# Altium PCB MCISO-P01-V05.PcbDoc (part 2 of 2)
Units mm, origin at the board's own origin, x right, y up, seen from the top; angles counter-clockwise.
Board outline 59.6 x 95.9 mm, 2 copper layers (Top Layer, Bottom Layer), stack 1.57 mm thick; 125 components, 87 nets, 473 pads, 109 vias.
Unrouted connection lines stored in the file: 41.
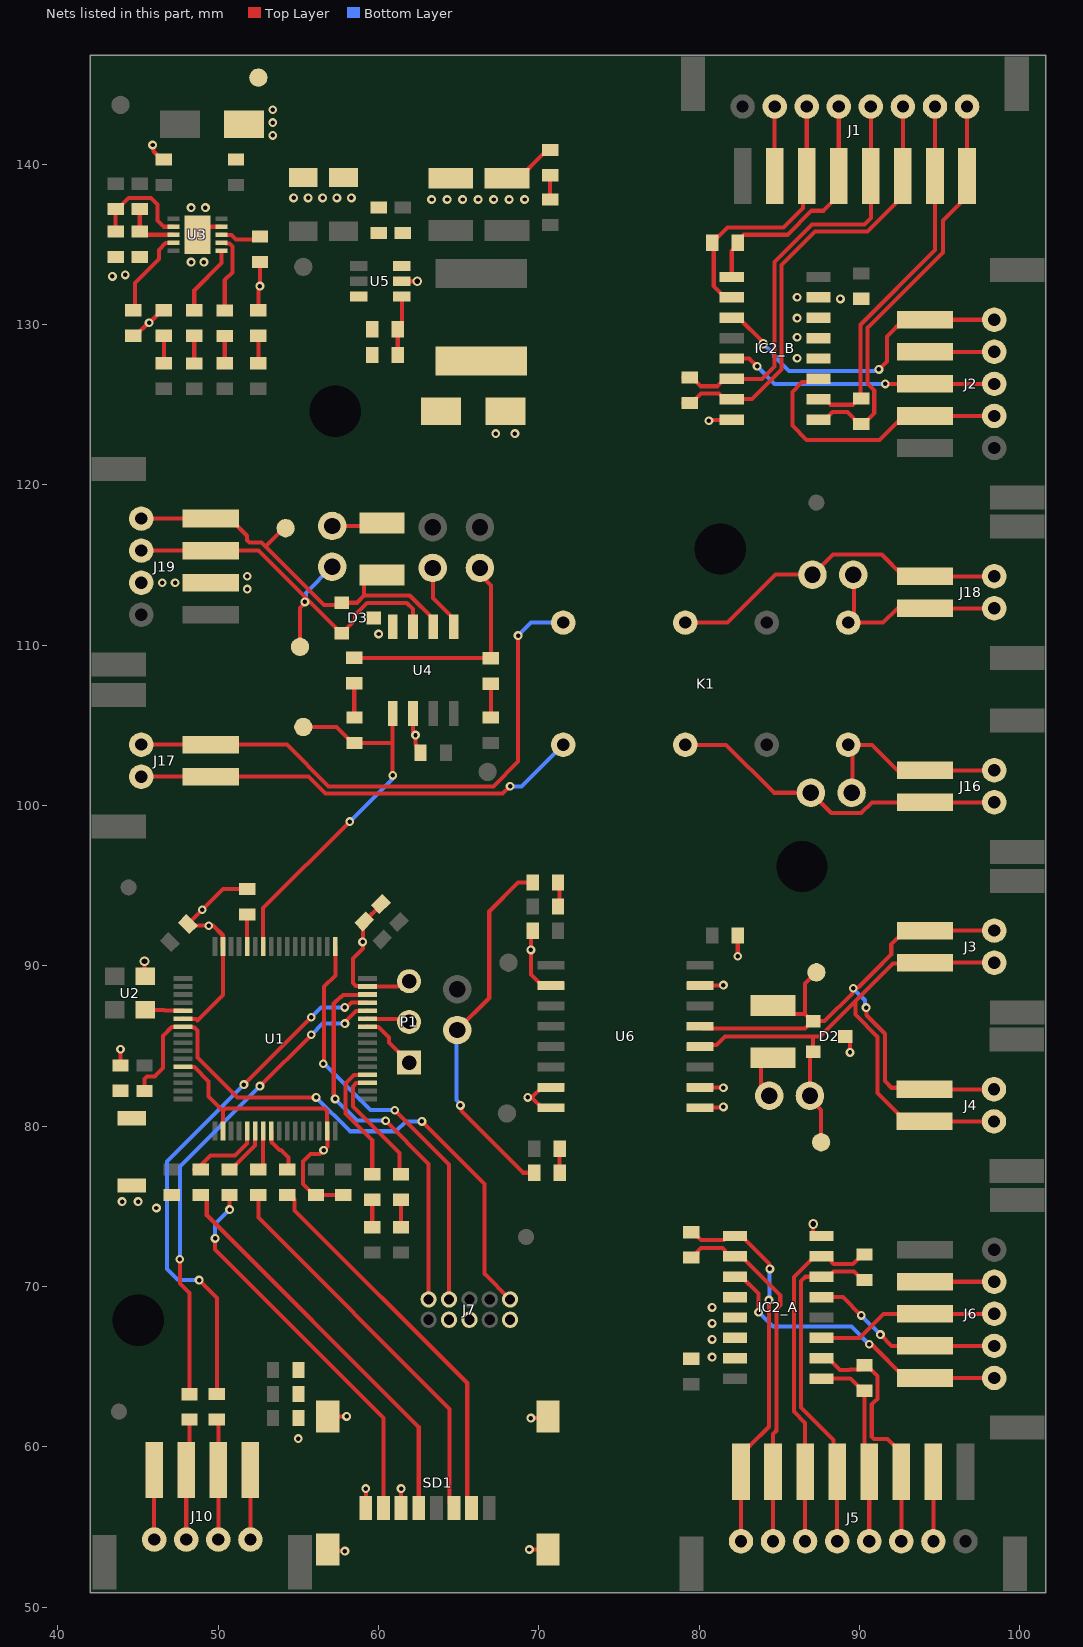
[diagram p2: the nets of this part, all layers, seen from the top]

## Via types
v1: diameter 0.55, hole 0.279, Top Layer to Bottom Layer, 105 vias
v2: diameter 0.6, hole 0.35, Top Layer to Bottom Layer, 4 vias

## Nets (pads, with @x,y where several pads share a name; then routed paths per layer and width w, separated by ;. In a path a pad name is that pad's centre, name@x,y a point inside that pad or via, vN(x,y) a via of type N, cw(c..) or ccw(c..) an arc to the next point about the centre after c; other vN are vias at no path point) (continued)
"CAN2 TX": R24.1 TP9.1 U1.58 U4.1 | length 23.9
  Top Layer w0.254: U1.58@52.8,91.207 52.8,93.6 v1(58.2,99) ; TP9.1@55.3,104.9 57.38,104.9 58.373,103.907 R24.1@58.5,103.907 60.783,103.907 60.877,103.813 ; v1(60.877,101.877) 60.877,103.813 ; U4.1@60.877,105.749 60.877,103.813
  Bottom Layer w0.254: v1(58.2,99) 60.82,101.62 60.82,101.82 v1(60.877,101.877)
"CAN H": D2.1 J3.1 J4.1 R23.1 TP6.1 U6.13 | length 40.2
  Top Layer w0.254: U6.13@80.05,86.235 80.185,86.1 86.6,86.1 D2.1@87.05,86.55 ; R23.1@84.6,87.525 85.123,87.002 86.598,87.002 ; TP6.1@87.3,89.6 86.598,88.898 86.598,87.002 ; v1@89.543,88.543 89.543,88.285 87.808,86.55 D2.1@87.05,86.55 ; v1(89.6,88.6) 89.657,88.657 89.915,88.657 90.943,89.685 91.971,90.713 91.971,91.321 92.85,92.2 J3.1@94.071,92.2 J3.1@97.879,92.2 ; v1(90.4,87.4) 90.421,87.379 90.421,86.921 91.574,85.768 91.574,82.826 92,82.4 93.95,82.4 J4.1@94.05,82.3 J4.1@98.379,82.3 ; 86.598,87.002 D2.1@87.05,86.55
  Bottom Layer w0.254: v1(89.6,88.6) 90.343,87.857 90.343,87.457 v1(90.4,87.4)
"CAN L": D2.2 J3.2 J4.2 J12.1 TP4.1 U6.12 | length 42
  Top Layer w0.254: U6.12@80.05,84.965 80.156,85.071 81.071,85.071 81.6,85.6 87.1,85.6 ; TP4.1@87.6,78.779 87.6,81.014 86.9,81.714 86.9,84.45 D2.2@87.1,84.65 87.1,85.6 ; J4.2@98.379,80.3 92.85,80.3 92.427,80.723 92.427,80.773 91.12,82.08 91.12,85.58 89.738,86.962 89.738,87.81 ; J3.2@98.379,90.2 J3.2@94.071,90.2 94.05,90.2 94.011,90.161 92.089,90.161 89.738,87.81 ; 87.1,85.6 87.528,85.6 89.738,87.81
"CAN LED": DS7.1 DS8.1 J11.2 | length 23
  Top Layer w0.254: J11.2@64.9,86 66.9,88 66.9,93.4 68.7,95.2 DS8.1@69.607,95.2 ; v1(65.1,81.3) 65.157,81.243 65.157,80.943 69,77.1 DS7.1@69.707,77.1
  Bottom Layer w0.254: J11.2@64.9,86 64.844,85.944 64.844,81.636 65.1,81.38 v1(65.1,81.3)
"CAN MAIN H": D3.2 J14.1 J19.3 TP8.1 U4.7 | length 27.2
  Top Layer w0.254: J19.3@45.2,115.9 J19.3@49.529,115.9 52.5,115.9 57.65,110.75 D3.2@57.7,110.75 57.75,110.75 58.023,111.023 58.023,111.073 58.531,111.581 58.531,111.889 59.288,112.646 61.753,112.646 62.147,112.252 U4.7@62.147,111.149 ; TP8.1@55.1,109.9 55.1,112.32 55.4,112.62 v1(55.4,112.7)
  Bottom Layer w0.254: v1(55.4,112.7) 55.457,112.757 55.457,113.257 J14.1@57.1,114.9
"CAN MAIN L": D3.1 J19.4 R26.1 TP10.1 U4.6 | length 25.7
  Top Layer w0.254: J19.4@45.2,117.9 J19.4@49.529,117.9 50.729,117.9 51.8,116.829 51.8,116.549 51.949,116.4 52.7,116.4 52.95,116.15 ; TP10.1@54.2,117.3 54.1,117.3 52.95,116.15 ; R26.1@60.2,114.375 59.623,114.375 59.1,113.852 59.1,113.1 ; U4.6@63.417,111.149 63.417,111.624 61.941,113.1 59.1,113.1 ; 52.95,116.15 56.6,112.5 57.55,112.5 D3.1@57.7,112.65 58.65,112.65 59.1,113.1
"CAN MAIN LBK": J15.2 U4.5 | length 4.2
  Top Layer w0.254: J15.2@63.38,114.819 63.38,112.931 64.687,111.624 U4.5@64.687,111.149
"CAN MAIN LED": DS9.1 DS10.1 J13.2 | length 14.4
  Top Layer w0.254: DS9.1@58.48,109.212 66.974,109.212 DS10.1@67,109.187 67,113.726 66.319,114.407 J13.2@66.319,114.819
"CAN MAIN RX LED": DS10.2 R25.2 | length 2.1
  Top Layer w0.254: R25.2@67,105.493 DS10.2@67,107.6
"CAN MAIN TX LED": DS9.2 R24.2 | length 2.1
  Top Layer w0.254: DS9.2@58.48,107.626 58.48,105.514 R24.2@58.5,105.493
"CAN RX LED": DS8.2 R22.2 | length 1.5
  Top Layer w0.254: R22.2@71.293,93.7 DS8.2@71.293,95.2
"CAN TX LED": DS7.2 R21.2 | length 1.5
  Top Layer w0.254: DS7.2@71.293,77.1 R21.2@71.293,78.6
CLMODE: R15.2 U3.4 | length 5.6
  Top Layer w0.254: R15.2@44.8,130.8 44.8,132.593 46.3,134.093 46.3,134.656 46.721,135.077 47.177,135.077 U3.4@47.2,135.1
"COM A": J8.1 J16.2 K1.13 | length 21.1
  Top Layer w0.254: K1.13@79.13,103.79 81.666,103.79 84.656,100.8 J8.1@86.96,100.8 88.23,99.53 90.1,99.53 90.77,100.2 J16.2@93.85,100.2 ; J16.2@94.071,100.2 J16.2@98.4,100.2
"COM B": J9.2 J18.1 K1.4 | length 21.5
  Top Layer w0.254: K1.4@79.13,111.41 81.766,111.41 84.756,114.4 J9.2@87.06,114.4 88.33,115.67 91.38,115.67 92.75,114.3 J18.1@94.071,114.3 J18.1@98.279,114.3
FLAG: DS4.2 U3.6 | length 4.4
  Top Layer w0.254: DS4.2@48.5,130.887 48.5,132.133 50.2,133.833 U3.6@50.2,134.6
GND: C1.1 C2.1 C3.1 C4.1 C5.1 C6.1 C7.1 C8.1 C9.1 C10.1 C11.1 C12.1 C14.1 C15.1 C18.2 C19.1 C21.2 C22.1 D1.A D3.3 D4.A DS5.2 DS6.2 DS11.2 J7.3 J7.5 J7.9 J10.4 J19.2 P1.3 R1.1 R15.1 R16.1 R17.1 R18.1 R29.1 SD1.6 SD1.8 SD1.9 SD1.10 SD1.11 SD1.12 SW1.1 TP3.1 U1.6 U1.12 U1.18 U1.31 U1.47 U1.63 U2.2 U3.9 U3.11 U4.2 U4.8 U5.2 U6.2 U6.7 U6.8 | length 81.8
  Top Layer w0.254: C7.1@43.9,83.793 v1(43.9,84.8) ; R15.1@44.687,129.293 R15.1@44.7,129.307 ; R15.1@44.8,129.213 44.8,129.28 45.634,130.114 45.7,130.114 46.473,130.887 DS5.2@46.6,130.887 ; v2(45.4,90.3) 45.4,89.407 U2.2@45.45,89.357 ; v1(45.9,141.2) 45.957,141.143 45.957,140.81 46.473,140.293 C12.1@46.6,140.293 ; J10.4@46,54.221 J10.4@46,58.55 J10.4@46,59.75 ; U1.12@47.8,83.707 47.823,83.684 48.504,83.684 49.402,82.786 49.402,81.849 50.3,80.951 ; U1.6@47.8,86.707 47.823,86.684 48.616,86.684 48.705,86.595 50.3,88.19 U1.63@50.3,91.207 50.277,91.23 50.277,91.911 49.677,92.51 48.19,92.51 C5.1@48.1,92.6 50.293,94.793 R1.1@51.8,94.793 ; U3.11@48.7,135.6 49.2,136.1 U3.9@50.2,136.1 ; U1.18@50.3,79.707 50.3,80.951 ; DS6.2@52.5,130.887 52.5,132.22 52.6,132.32 R18.1@52.6,133.907 ; SD1.9@56.82,53.6 56.92,53.5 v1(57.9,53.5) ; SD1.10@56.82,61.9 v1(58,61.9) ; C1.1@57.8,75.713 C3.1@56.1,75.713 55.973,75.713 55.287,76.399 55.287,77.807 55.746,78.266 56.341,78.266 56.8,78.726 U1.31@56.8,79.707 56.777,79.73 56.777,80.951 56.628,81.1 50.449,81.1 50.3,80.951 ; SD1.8@59.2,56.2 v1(59.2,57.4) ; C2.1@60.139,93.861 60.139,93.812 C4.1@59.103,92.776 59.013,92.686 59.013,91.084 58.395,90.466 58.395,88.93 58.574,88.752 58.805,88.752 58.85,88.707 U1.47@59.3,88.707 61.223,88.707 61.563,89.047 P1.3@61.9,89.047 ; SD1.6@61.4,56.2 v1(61.4,57.4) ; U5.2@61.45,132.7 v2(62.4,132.7) ; U4.2@62.147,105.749 62.147,104.633 62.3,104.48 v1(62.3,104.4) 62.3,103.83 62.353,103.777 62.353,103.554 C15.1@62.607,103.3 ; J7.3@64.244,67.784 J7.3@64.39,67.93 ; C19.1@68,139.125 68.75,139.125 70.264,140.639 70.446,140.639 DS11.2@70.7,140.893 ; v1(69.4,53.6) SD1.12@70.57,53.6 ; v1(69.5,61.8) 70.47,61.8 SD1.11@70.57,61.9 ; C14.1@69.607,92.2 69.5,92.093 69.5,89.45 70.175,88.775 U6.2@70.75,88.775 ; U6.8@70.75,81.155 70.175,81.155 69.587,81.743 69.357,81.743 v1(69.3,81.8) 69.357,81.857 69.607,81.857 70.175,82.425 U6.7@70.75,82.425
  other v1: 54.985,60.515 46.144,74.9 44,75.3 45,75.3 56.57,78.496 69.5,91 59,91.5 49.4,92.5 49,93.5 60,110.7 51.8,113.5 46.5,113.9 47.3,113.9 51.8,114.3 67.3,123.2 68.5,123.2 45.686,130.114 52.6,132.4 43.4,133 44.2,133.1 48.3,133.9 49.1,133.9 48.3,137.3 49.2,137.3 63.3,137.8 64.267,137.8 65.233,137.8 66.2,137.8 67.167,137.8 68.133,137.8 69.1,137.8 54.7,137.9 55.6,137.9 56.5,137.9 57.4,137.9 58.3,137.9 53.4,141.8 53.4,142.6 53.4,143.4
"GND INV_A": C13.1 C20_A.1 D2.3 IC2_A.8 IC2_A.12 IC2_A.13 IC2_A.14 IC2_A.15 J5.2 J6.2 U6.9 U6.10 U6.15 | length 16.3
  Top Layer w0.254: U6.9@80.05,81.155 80.072,81.178 81.478,81.178 v1(81.5,81.2) ; U6.10@80.05,82.425 80.062,82.412 81.488,82.412 v1(81.5,82.4) ; U6.15@80.05,88.775 80.062,88.788 81.488,88.788 v1(81.5,88.8) ; C13.1@82.393,91.9 82.4,91.893 v1(82.4,90.6) ; v2(87.1,73.9) 87.1,73.166 IC2_A.8@87.113,73.152 ; D2.3@89.1,85.6 89.127,85.6 89.4,85.327 v1(89.4,84.6) ; J6.2@94.031,70.3 J6.2@98.36,70.3 ; J5.2@94.6,54.11 J5.2@94.6,58.45
  other v1: 80.8,65.6 80.8,66.7 80.8,67.7 80.8,68.7
"GND INV_B": C20_B.1 IC2_B.8 IC2_B.12 IC2_B.13 IC2_B.14 IC2_B.15 J1.2 J2.2 | length 10.2
  Top Layer w0.254: v1(80.6,124) 80.638,124.038 81.988,124.038 IC2_B.8@82.025,124.076 ; J1.2@84.7,139.26 J1.2@84.7,143.6 ; IC2_B.13@87.425,129.156 IC2_B.13@87.535,129.156 ; J2.2@93.931,128.3 J2.2@98.26,128.3
  other v1: 86.1,127.9 86.1,129.212 86.1,130.4 88.8,131.6 86.1,131.7
H1_A: IC2_A.3 J6.3 | length 11.4
  Top Layer w0.254: IC2_A.3@87.613,66.802 90.002,66.802 91.5,68.3 94.031,68.3 J6.3@98.36,68.3
H1_B: IC2_B.3 J2.1 | length 20
  Top Layer w0.254: IC2_B.3@82.025,130.426 82.45,130.426 84,128.876 v2(84,128.8) ; v1(91.2,127.2) 91.7,127.7 91.7,129.269 92.731,130.3 93.931,130.3 J2.1@98.26,130.3
  Bottom Layer w0.254: v2(84,128.8) 84.676,128.124 84.676,128.024 85.6,127.1 90.903,127.1 90.947,127.143 91.143,127.143 v1(91.2,127.2)
H2_A: IC2_A.5 J6.4 | length 12
  Top Layer w0.254: IC2_A.5@87.613,69.342 88.958,69.342 v1(90.1,68.2) ; v1(91.3,67) 92,66.3 J6.4@98.36,66.3
  Bottom Layer w0.254: v1(90.1,68.2) v1(91.3,67)
H2_B: IC2_B.5 J2.3 | length 16.9
  Top Layer w0.254: IC2_B.5@82.025,127.886 83.114,127.886 v1(83.6,127.4) ; v1(91.6,126.3) 93.931,126.3 J2.3@98.26,126.3
  Bottom Layer w0.254: v1(83.6,127.4) 84.7,126.3 v1(91.6,126.3)
H3_A: IC2_A.11 J6.5 | length 19.4
  Top Layer w0.254: IC2_A.11@82.213,70.612 82.638,70.612 83.688,69.563 83.688,68.412 v1(83.7,68.4) ; v1(90.6,66.4) 90.657,66.343 90.788,66.343 92.831,64.3 94.031,64.3 J6.5@98.36,64.3
  Bottom Layer w0.254: v1(83.7,68.4) 84.6,67.5 89.5,67.5 v1(90.6,66.4)
H3_B: IC2_B.11 J2.4 | length 17.5
  Top Layer w0.254: IC2_B.11@87.425,126.616 87.227,126.418 86.418,126.418 85.8,125.8 85.8,123.7 86.7,122.8 91.231,122.8 92.731,124.3 93.931,124.3 J2.4@98.26,124.3
"HALL 1A_A": IC2_A.2 J5.3 R30_A.1 | length 15.9
  Top Layer w0.254: IC2_A.2@87.613,65.532 88.038,65.532 88.771,64.8 89.372,64.8 89.411,64.839 90.046,64.839 R30_A.1@90.3,65.093 90.427,65.093 91.113,64.408 91.113,62.999 90.934,62.821 90.921,62.821 90.754,62.654 90.754,60.654 90.903,60.505 91.745,60.505 92.6,59.65 J5.3@92.6,58.45 J5.3@92.6,54.11
"HALL 1A_B": IC2_B.2 J1.3 R30_B.1 | length 17.1
  Top Layer w0.254: IC2_B.2@82.025,131.696 81.6,131.696 80.9,132.396 80.9,135.007 R30_B.1@80.807,135.1 81.761,136.054 85.254,136.054 86.478,137.278 86.478,139.038 J1.3@86.7,139.26 J1.3@86.7,143.6
"HALL 1B_A": IC2_A.1 J5.4 R30_A.2 | length 12.5
  Top Layer w0.254: IC2_A.1@87.613,64.262 89.417,64.262 90.173,63.507 R30_A.2@90.3,63.507 90.3,58.75 J5.4@90.6,58.45 J5.4@90.6,54.11
"HALL 1B_B": IC2_B.1 J1.4 R30_B.2 | length 15.4
  Top Layer w0.254: IC2_B.1@82.025,132.966 82.025,134.605 82.393,134.973 82.393,135.227 82.766,135.6 85.5,135.6 87,137.1 87.74,137.1 88.7,138.06 J1.4@88.7,139.26 J1.4@88.7,143.6
"HALL 2A_A": IC2_A.6 J5.5 R31_A.1 | length 21.6
  Top Layer w0.254: J5.5@88.6,54.11 J5.5@88.6,58.45 88.368,58.682 88.368,60.432 86.354,62.446 86.354,70.354 86.612,70.612 88.038,70.612 88.372,70.946 89.64,70.946 90.173,70.413 R31_A.1@90.3,70.413
"HALL 2A_B": IC2_B.6 J1.5 R31_B.1 | length 26.7
  Top Layer w0.254: R31_B.1@79,126.7 R31_B.1@79.127,126.7 ; R31_B.1@79.527,126.7 80.073,126.154 81.139,126.154 81.6,126.616 83.916,126.616 84.681,127.381 84.681,133.913 87.022,136.254 90.312,136.254 90.7,136.642 J1.5@90.7,139.26 J1.5@90.7,143.6
"HALL 2B_A": IC2_A.7 J5.6 R31_A.2 | length 21.3
  Top Layer w0.254: J5.6@86.6,54.11 J5.6@86.6,58.45 86.6,61.5 85.9,62.2 85.9,70.594 IC2_A.7@87.188,71.882 ; IC2_A.7@88.038,71.882 88.236,71.684 88.236,71.549 88.385,71.4 89.573,71.4 R31_A.2@90.173,72
"HALL 2B_B": IC2_B.7 J1.6 R31_B.2 | length 28.4
  Top Layer w0.254: R31_B.2@79,125.113 R31_B.2@79.127,125.113 ; R31_B.2@79.527,125.113 80.114,125.7 81.221,125.7 81.377,125.544 81.827,125.544 IC2_B.7@82.025,125.346 83.288,125.346 85.135,127.193 85.135,133.725 87.21,135.8 90.5,135.8 92.277,137.577 92.277,138.837 J1.6@92.7,139.26 J1.6@92.7,143.6
"HALL 3A_A": IC2_A.10 J5.7 R32_A.1 | length 22.3
  Top Layer w0.254: R32_A.1@79.5,71.807 79.627,71.807 79.881,72.061 79.881,72.188 80.093,72.4 81.442,72.4 81.59,72.251 81.59,72.08 81.788,71.882 IC2_A.10@82.213,71.882 ; IC2_A.10@82.638,71.882 82.836,71.684 82.836,71.664 85.05,69.45 85.05,68.85 84.81,68.61 84.81,61.068 84.8,61.058 84.8,61 84.6,60.8 J5.7@84.6,58.45 J5.7@84.6,54.11
"HALL 3A_B": IC2_B.10 J1.7 R32_B.1 | length 23.1
  Top Layer w0.254: IC2_B.10@87.425,125.346 87.85,125.346 88.196,125 89.58,125 89.973,125.393 R32_B.1@90.1,125.393 90.046,125.447 90.046,129.988 94.7,134.642 J1.7@94.7,139.26 J1.7@94.7,143.6
"HALL 3B_A": IC2_A.9 J5.8 R32_A.2 | length 23.5
  Top Layer w0.254: R32_A.2@79.627,73.393 80.12,72.9 81.536,72.9 81.788,73.152 IC2_A.9@82.213,73.152 ; J5.8@82.6,54.11 82.6,59.65 83.023,60.073 83.173,60.073 84.356,61.256 84.356,69.146 v1(84.344,69.158) ; IC2_A.9@82.638,73.152 84.343,71.447 84.343,71.157 v1(84.4,71.1)
  Bottom Layer w0.254: v1(84.344,69.158) 84.372,69.186 84.372,71.072 v1(84.4,71.1)
"HALL 3B_B": IC2_B.9 J1.8 R32_B.2 | length 26.1
  Top Layer w0.254: IC2_B.9@87.425,124.076 87.85,124.076 88.321,124.546 89.234,124.546 89.973,123.807 90.227,123.807 90.913,124.492 90.913,125.901 90.5,126.313 90.5,129.8 95.2,134.5 95.2,136.5 96.277,137.577 96.277,138.837 J1.8@96.7,139.26 J1.8@96.7,143.6
NetDS1_1: DS1.1 R3.1 | length 1.7
  Top Layer w0.254: R3.1@61.4,73.705 DS1.1@61.4,75.413
NetDS2_1: DS2.1 R4.1 | length 1.7
  Top Layer w0.254: R4.1@59.6,73.705 DS2.1@59.6,75.413
NetDS3_1: DS3.1 R9.1 | length 1.7
  Top Layer w0.254: R9.1@50.4,127.587 DS3.1@50.4,129.293
NetDS4_1: DS4.1 R10.1 | length 1.7
  Top Layer w0.254: R10.1@48.5,127.58 DS4.1@48.5,129.3
NetDS5_1: DS5.1 R11.1 | length 1.7
  Top Layer w0.254: R11.1@46.6,127.587 DS5.1@46.6,129.3
NetDS6_1: DS6.1 R14.1 | length 1.7
  Top Layer w0.254: R14.1@52.5,127.587 DS6.1@52.5,129.3
NetDS11_1: DS11.1 R28.1 | length 1.5
  Top Layer w0.254: R28.1@70.7,137.793 DS11.1@70.7,139.307
NetJ10_2: J10.2 R19.1 | length 7.5
  Top Layer w0.254: J10.2@50,54.221 J10.2@50,58.55 50,61.607 R19.1@50.1,61.707
NetJ10_3: J10.3 R20.1 | length 7.8
  Top Layer w0.254: J10.3@48,54.221 J10.3@48,58.55 48.2,58.75 R20.1@48.2,61.922
NetJ12_2: J12.2 R23.2 | length 2.5
  Top Layer w0.254: J12.2@83.86,81.9 83.86,84.035 R23.2@84.1,84.275
NetJ14_2: J14.2 R26.2 | length 3.2
  Top Layer w0.254: J14.2@57.1,117.44 60.015,117.44 R26.2@60.2,117.625
NetJ17_1: J17.1 K1.16 | length 39.9
  Top Layer w0.254: J17.1@45.3,101.8 55.634,101.8 ; v1(68.2,101.2) 68.18,101.2 67.726,100.746 56.688,100.746 55.634,101.8 ; 55.634,101.8 49.629,101.8 55.634,101.8
  Bottom Layer w0.254: v1(68.2,101.2) 68.92,101.2 K1.16@71.51,103.79
NetJ17_2: J17.2 K1.1 | length 36.1
  Top Layer w0.254: J17.2@45.3,103.8 49.629,103.8 54.276,103.8 56.876,101.2 67.163,101.2 68.7,102.737 v1(68.7,110.6)
  Bottom Layer w0.254: v1(68.7,110.6) 69.51,111.41 K1.1@71.51,111.41
NetR1_2: R1.2 U1.60 | length 2.2
  Top Layer w0.254: U1.60@51.8,91.207 R1.2@51.8,93.42
"NO COM A": J8.2 J16.1 K1.9 | length 12.3
  Top Layer w0.254: K1.9@89.245,103.745 K1.9@89.29,103.79 89.545,103.79 90.76,103.79 92.35,102.2 J16.1@93.55,102.2 ; J8.2@89.5,100.8 89.545,100.845 K1.9@89.545,103.745 ; J16.1@93.771,102.2 J16.1@98.1,102.2
"NO COM B": J9.1 J18.2 K1.8 | length 13.8
  Top Layer w0.254: K1.8@89.245,111.455 K1.8@89.29,111.41 91.46,111.41 ; J9.1@89.6,114.4 89.645,114.355 K1.8@89.645,111.455 ; K1.8@89.645,111.41 91.46,111.41 ; J18.2@97.879,112.3 93.55,112.3 92.35,112.3 91.46,111.41
NRST: C7.2 J7.10 R2.1 SW1.2 U1.7 | length 37.9
  Top Layer w0.254: R2.1@45.4,82.2 45.4,82.952 45.549,83.101 46.034,83.101 46.554,83.621 46.554,85.642 47.096,86.184 47.8,86.184 48.393,86.184 48.416,86.161 48.526,86.161 48.705,85.983 48.705,84.295 51.2,81.8 v1(56.1,81.8) ; v1(62.7,80.3) 66.6,76.4 66.6,70.8 J7.10@68.2,69.2
  Bottom Layer w0.254: v1(56.1,81.8) 58.212,79.688 61.084,79.688 61.696,80.3 v1(62.7,80.3)
"ORANGE LED 1": DS1.2 U1.35 | length 7.7
  Top Layer w0.254: U1.35@59.3,82.707 59.277,82.684 58.596,82.684 58.395,82.483 58.395,81.244 61.3,78.339 61.3,77.1 DS1.2@61.4,77
"ORANGE LED 2": DS2.2 U1.36 | length 7.9
  Top Layer w0.254: U1.36@59.3,83.207 59.277,83.184 58.454,83.184 57.941,82.671 57.941,80.792 59.6,79.133 DS2.2@59.6,77
"OSC IN": U1.5 U2.3 | length 2.4
  Top Layer w0.254: U2.3@45.45,87.257 46.616,87.257 46.666,87.207 U1.5@47.8,87.207
OVLO: R13.1 R17.2 U3.3 | length 3.6
  Top Layer w0.254: R13.1@45.1,137.2 R17.2@45.1,135.8 45.3,135.6 U3.3@47.2,135.6
"PWR CB 3V3": C16.1 C17.1 U5.1 | length 3.8
  Top Layer w0.254: C17.1@61.193,128.1 C16.1@61.193,129.7 61.193,129.827 61.45,130.084 U5.1@61.45,131.75
"PWR FB 3V3": R27.1 R29.2 U5.3
"PWR SW 3V3": C16.2 C17.2 D4.K L1.1 U5.6
"SD CS": R5.1 U1.24 | length 2.9
  Top Layer w0.254: U1.24@53.3,79.707 53.323,79.684 53.323,79.003 53.804,78.521 53.921,78.521 54.38,78.062 R5.1@54.38,77.3
"SD CS _SD": R5.2 SD1.2 | length 24.3
  Top Layer w0.254: R5.2@54.38,75.713 54.507,75.713 54.761,75.459 54.761,74.739 65.527,63.973 65.527,56.823 65.8,56.55 SD1.2@65.8,56.2
"SD DI": R6.1 U1.23 | length 2.6
  Top Layer w0.254: R6.1@52.5,77.3 52.546,77.3 52.8,77.554 U1.23@52.8,79.707
"SD DI _SD": R6.2 SD1.3 | length 24.6
  Top Layer w0.254: R6.2@52.5,75.713 52.5,74.3 64.427,62.373 64.427,56.473 SD1.3@64.7,56.2
"SD DO": R8.1 U1.22 | length 3.2
  Top Layer w0.254: R8.1@50.7,77.266 50.881,77.447 50.947,77.447 52.3,78.8 U1.22@52.3,79.707 ; R8.1@50.9,77.207 R8.1@50.9,77.273
"SD DO _SD": R8.2 SD1.7 | length 24.2
  Top Layer w0.254: v1(49.8,73) 49.8,72.3 60.3,61.8 SD1.7@60.3,56.2 ; v1(50.7,74.8) R8.2@50.7,75.707
  Bottom Layer w0.254: v1(49.8,73) 49.8,73.9 v1(50.7,74.8)
"SD SCLK": R7.1 U1.21 | length 4.7
  Top Layer w0.254: R7.1@48.5,77.3 48.627,77.3 49.5,78.173 51.031,78.173 51.777,78.919 51.777,79.684 U1.21@51.8,79.707
"SD SCLK _SD": R7.2 SD1.5 | length 25.5
  Top Layer w0.254: R7.2@48.627,75.713 49.02,75.713 49.281,75.453 49.281,74.447 62.5,61.228 SD1.5@62.5,56.2
SETI: R18.2 U3.8 | length 2.6
  Top Layer w0.254: U3.8@50.2,135.6 50.223,135.577 50.823,135.577 51.1,135.3 52.407,135.3 R18.2@52.6,135.493
SWCLK: J7.4 U1.49 | length 26.5
  Top Layer w0.254: v1(56.544,83.9) 56.6,83.956 56.6,88.7 57.3,89.4 U1.49@57.3,91.207 ; v1(61,81) 64.39,77.61 J7.4@64.39,69.2
  Bottom Layer w0.254: v1(56.544,83.9) 56.6,83.9 59.5,81 v1(61,81)
SWDIO: J7.2 U1.46 | length 24.3
  Top Layer w0.254: v1(57.285,81.7) 57.229,81.757 57.229,81.966 57.2,81.994 57.2,87.655 57.614,88.07 57.67,88.07 57.784,88.184 59.277,88.184 U1.46@59.3,88.207 ; v1(60.431,80.344) 63.12,77.655 J7.2@63.12,69.2
  Bottom Layer w0.254: v1(57.285,81.7) 58.641,80.344 v1(60.431,80.344)
"USART 1_RX": P1.2 U1.43 | length 2.7
  Top Layer w0.254: U1.43@59.3,86.707 59.323,86.684 61.723,86.684 P1.2@61.9,86.507
"USART 1_TX": P1.1 U1.42 | length 3.7
  Top Layer w0.254: U1.42@59.3,86.207 59.323,86.184 60.004,86.184 60.652,85.536 60.652,85.215 P1.1@61.9,83.967
"USB DM": R20.2 U1.44 | length 30
  Top Layer w0.254: v1(47.6,71.7) 47.6,70.2 48.2,69.6 R20.2@48.2,63.287 ; v1(52.6,82.5) v1(55.8,85.7) ; v1@58,86.6 58.584,87.184 59.277,87.184 U1.44@59.3,87.207
  Bottom Layer w0.254: v1(47.6,71.7) 47.6,77.5 v1(52.6,82.5) ; v1(55.8,85.7) 56.5,86.4 v1(57.9,86.4)
"USB DP": R19.2 U1.45 | length 32.9
  Top Layer w0.254: v1(48.8,70.4) 49.909,69.291 R19.2@49.909,63.293 ; v1(51.6,82.6) v1(55.8,86.8) ; v1@58.1,87.5 58.307,87.707 U1.45@59.3,87.707
  Bottom Layer w0.254: v1(48.8,70.4) 47.5,70.4 46.8,71.1 46.8,77.8 v1(51.6,82.6) ; v1(55.8,86.8) 56.414,87.414 v1(57.886,87.414)
UVLO: R12.1 R16.2 U3.2 | length 6.6
  Top Layer w0.254: R16.2@43.6,135.8 R12.1@43.6,137.2 43.727,137.2 44.413,137.886 45.814,137.886 46.2,137.5 46.2,136.5 46.6,136.1 U3.2@47.2,136.1
UVOV: DS3.2 U3.7 | length 5
  Top Layer w0.254: U3.7@50.2,135.1 50.425,135.1 50.47,135.055 50.701,135.055 50.88,134.876 50.88,133.245 50.4,132.765 DS3.2@50.4,130.88
VUSB: J10.1 | length 4.3
  Top Layer w0.254: J10.1@52,54.221 J10.1@52,58.55
pads on no net: FID1.1 FID2.1 FID3.1 FID4.1 IC2_A.4 IC2_B.4 J1.M J2.M J3.M J4.M J5.M J6.M J7.6 J7.7 J7.8 J10.M J16.M J17.M J18.M J19.M K1.6 K1.11 M1.1 M2.1 M3.1 M4.1 U1.2 U1.3 U1.4 U1.8 U1.9 U1.10 U1.11 U1.14 U1.15 U1.16 U1.17 U1.20 U1.25 U1.26 U1.27 U1.28 U1.29 U1.30 U1.37 U1.38 U1.39 U1.40 U1.41 U1.50 U1.51 U1.52 U1.53 U1.54 U1.55 U1.56 U1.59 U1.61 U1.62 U3.5 U6.4 U6.5 U6.11 U6.14

## Polygon pours and split planes (outlines as drawn)
no net on Bottom Solder "NONET_L01_P006" (solid, pour order 6): 101.6,108 101.6,106.5 77.9,106.5 77.9,108
no net on Bottom Solder "NONET_L01_P002" (solid, pour order 2): 72.2,146.8 72.2,50.9 75.6,50.9 78.6,50.9 78.6,146.8
no net on Top Solder "NONET_L01_P000" (solid, pour order 0): 72.2,146.8 72.2,50.9 75.3,50.9 78.6,50.9 78.6,146.8
no net on Top Solder "NONET_L01_P003" (solid, pour order 3): 101.6,108 101.6,106.5 77.9,106.5 77.9,108
"GND INV_B" on Top Layer "GNDP" (solid, pour order 49): 85.7,127.5 88.3,127.5 88.3,130.3 89.1,131.1 90.7,131.1 90.7,132.1 85.7,132.1
GND on Top Layer "GNDP" (solid, pour order 47): 49.6,137.7 47.9,137.7 47.9,133.5 49.6,133.5
no net on Top Layer "NONET_L01_P039" (solid, pour order 39): 46.3,143.5 46.3,141.6 48.9,141.6 50.5,140 50.5,138.3 50.4,138.2 50.5,138.1 50.5,137.2 49.8,137.2 49.6,137 49.7,136.9 49.7,136.4 50.9,136.4 50.7,136.6 50.7,137.6 51.4,137.6 51.8,138 51.7,138.1 51.7,139.4 51.3,139.4 49.2,141.5 49.2,143.5
GND on Top Layer "GNDP" (solid, pour order 18): 50.4,141.1 50.3,141.5 50.3,143.4 51.2,144.5 52.431,146.347 53.7,144.929 60.6,140.6 60.5,136.8 54.5,137.5 50.5,139.8
GND on Top Layer "GNDP" (solid, pour order 19): 63,137.3 69.5,137.3 69.5,140 62.9,140 62.9,137.4
GND on Top Layer "GNDP" (solid, pour order 44): 59.3,112.2 61.3,112.2 61.3,110.3 59.1,110.3 59.1,112
GND on Top Layer "GNDP" (solid, pour order 43): 52.3,114.8 52.2,114.6 52.2,113.1 52.1,113 44.7,113 44.7,114.6 44.9,114.8
GND on Top Layer "GNDP" (solid, pour order 42): 43.7,76.8 46,76.8 46.7,76.1 47.6,76.1 47.6,75.3 47.7,75.2 47,74.5 43.7,74.5
GND on Top Layer "GNDP" (solid, pour order 23): 49.6,95.5 55.7,95.5 55.7,94.5 49.6,94.5
NRST on Top Layer "GNDP" (solid, pour order 41): 43.3,82.6 46,82.6 45.9,80 45.6,80 43.2,80
3V3 on Top Layer "3V3_L01_P035" (solid, pour order 35): 67.2,116.4 67.1,116.5 62.2,116.5 62.2,118.5 67.3,118.5 67.3,116.5
12VP on Top Layer "12VP_L01_P033" (solid, pour order 33): 54.3,136.5 54.4,136.4 54.4,133.2 55.8,133.2 56.4,133.2 57.4,132.8 58.1,132.4 59.5,132.4 59.3,132.6 59.3,134.3 58.9,134.7 58.9,136.6 58.8,136.7 58.5,136.4 54.2,136.4
12V on Top Layer "GNDP" (solid, pour order 21): 46,126.5 51,126.5 51,125.5 46,125.5
12V on Top Layer "12V" (solid, pour order 16): 43,138.4 45.7,138.4 46.6,137.5 46.6,136.4 47.6,136.4 47.6,138.7 47.1,139.2 43,139.2
3V3 on Top Layer "GNDP" (solid, pour order 8): 69.5,136.6 63.1,136.6 62,137.7 61,137.7 61,136.8 61.5,136.3 62.5,136.3 62.5,135.1 63.5,134.1 63.5,132.2 69.3,132.2
GND on Top Layer "GNDP" (solid, pour order 22): 66.6,125.6 69.3,125.6 69.3,122.8 66.6,122.8
"GND INV_A" on Top Layer "GNDP" (solid, pour order 27): 83,69.7 83,65.1 82.9,65 78.9,65 78.9,65.8 79.6,67.7 80.3,69.2 80.4,69.2 80.9,69.7
"PWR FB 3V3" on Top Layer "GNDP" (solid, pour order 9): 59.4,136.1 62,136.1 62,133.4 60.9,133.4 60.9,133.8 59.4,135.3
"PWR SW 3V3" on Top Layer "GNDP" (solid, pour order 10): 59.3,132.1 59.6,131.2 60.1,130.2 60.1,127.6 60.4,127.3 62.107,127.3 63.5,128.6 63.6,128.6 69.3,128.6 69.3,126.8 68.2,126.3 66.4,125.7 66,125 65.2,123.7 62,123.7 58.2,127.5 58.2,132.1
GND on Top Layer "GNDP" (solid, pour order 20): 45.7,134.7 45.7,133.7 45.4,133.7 44.4,132.7 43,132.7 43,134.7
no net on Bottom Overlay (solid): 65.556,60.996 59.206,60.996 59.206,94.016 65.556,94.016
no net on Bottom Overlay (solid): 58.131,60.996 51.781,60.996 51.781,94.016 58.131,94.016
"GND INV_B" on Bottom Layer "GND_INV_B_L02_P053" (solid, pour order 53): 78.6,146.8 101.6,146.8 101.6,108 78.6,108

## Silkscreen, mask and mechanical layers (free items; w line width, h text height)
Top Overlay:
  lines w0.254: 66,51.1 66,51.5 ; 53.9,122 71.9,122 71.9,142.8 53.9,142.8 53.9,122 ; 53.9,122 42,122 42,146.8 53.9,146.8 53.9,122 ; 63.5,96.8 90,96.8 90,75 63.5,75 63.5,96.8 ; 63.5,96.8 42.3,96.8 42.3,71.1 63.5,71.1 63.5,96.8 ; 52.3,99.1 69.8,99.1 69.8,120.7 52.3,120.7 52.3,99.1
  text "GND" at 48.586,145.614 h1.54
  text "GLV" at 64.4,143.744 h4
  text "12V" at 46.1,142.6 h1.54 r90
  text "Hall Pairs" at 86.3,136.215 h1.5
  text "12VP" at 55.5,129.3 h1.54 r90
  text "Halls" at 91.115,128.3 h1.5 r270
  text "ISO 6.4mm" at 76.046,124.354 h1.52 r90
  text "Switch" at 91.216,115.1 h1.5 r270
  text "CAN_L" at 53.564,112.481 h1.54 r90
  text "CAN_H" at 53.664,107.181 h1.54 r90
  text "TX" at 56.001,106.199 h1.54 r315
  text "Switch" at 91.116,103.1 h1.5 r270
  text "RX" at 68.3,101.7 h1.54 r45
  text "HV" at 81.259,97.3 h5 r90
  text "CAN" at 91.116,92.5 h1.5 r270
  text "CAN H" at 85.454,91.954 h0.8
  text "CAN RX" at 65.546,91.654 h0.8 r90
  text "LED" at 66.554,87.746 h0.8 r270
  text "CAN" at 91.065,82.68 h1.5 r270
  text "Terminating / Resistor" at 82.9,79 h0.8
  text "CAN TX" at 65.746,76.854 h0.8 r90
  text "CAN L" at 85.554,76.754 h0.8
  text "Halls" at 91.164,69.98 h1.5 r270
  text "Hall pairs" at 86.5,60.466 h1.5
Bottom Overlay:
  lines w0.254: 54,122 71.8,122 71.8,141.7 54,141.7 54,122
  text "Designed By: / Bishwam Pattnaik / John Hatfield" at 51.7,95.4 h3 r270
  text "MCISO V00" at 67.241,75.1 h3.81 r270
  text "Var." at 53.725,52.5 h5.08 r270
  text "S/N" at 61.232,52.495 h5.08 r270

## Dimensions
72.2,145.3 to 78.6,144.9 on Top Layer

## Text inside footprints (layer, text, board x,y; h text height)
J1: Top Overlay "1" at 81.352,142.637 h1.02; Top Overlay "8" at 97.352,142.412 h1.02; Top Overlay "PH x8 SMD" at 95.027,146.285 h1.02 r180
J2: Top Overlay "1" at 97.13,131.872 h1.02 r270; Top Overlay "5" at 97.073,121.323 h1.02 r270; Top Overlay "PH x5 COMB" at 100.894,121.791 h1.02 r90; Top Overlay "1" at 91.844,132.136 h1.02 r270; Top Overlay "5" at 91.848,120.123 h1.02 r270
J3: Top Overlay "2" at 92.323,87.598 h1.02 r270; Top Overlay "1" at 92.323,95.573 h1.02 r270; Top Overlay "PH x4 COMB" at 100.919,88.584 h0.5 r90; Top Overlay "2" at 97.098,89.023 h1.02 r270; Top Overlay "1" at 97.13,93.772 h1.02 r270
J4: Top Overlay "2" at 92.302,77.698 h1.02 r270; Top Overlay "1" at 92.302,85.673 h1.02 r270; Top Overlay "PH x4 COMB" at 100.898,78.684 h0.5 r90; Top Overlay "2" at 97.077,79.123 h1.02 r270; Top Overlay "1" at 97.109,83.872 h1.02 r270
J5: Top Overlay "PH x8 SMD" at 84.273,51.425 h1.02; Top Overlay "8" at 81.948,55.298 h1.02 r180; Top Overlay "1" at 97.948,55.073 h1.02 r180
J6: Top Overlay "1" at 97.13,73.872 h1.02 r270; Top Overlay "5" at 97.073,63.323 h1.02 r270; Top Overlay "PH x5 COMB" at 100.894,63.791 h1.02 r90; Top Overlay "1" at 91.844,74.136 h1.02 r270; Top Overlay "5" at 91.848,62.123 h1.02 r270
J10: Top Overlay "1" at 53.572,55.491 h1.02 r180; Top Overlay "4" at 45.063,55.618 h1.02 r180; Top Overlay "PH x4 COMB" at 45.376,51.706 h0.75; Top Overlay "1" at 54.256,60.586 h1.02 r180; Top Overlay "4" at 44.891,60.787 h1.02 r180
J16: Top Overlay "2" at 92.323,97.598 h1.02 r270; Top Overlay "1" at 92.323,105.573 h1.02 r270; Top Overlay "PH x4 COMB" at 100.919,98.584 h0.5 r90; Top Overlay "2" at 97.098,99.023 h1.02 r270; Top Overlay "1" at 97.13,103.772 h1.02 r270
J17: Top Overlay "2" at 51.277,106.402 h1.02 r90; Top Overlay "1" at 51.277,98.427 h1.02 r90; Top Overlay "PH x4 COMB" at 42.681,105.416 h0.5 r270; Top Overlay "2" at 46.502,104.977 h1.02 r90; Top Overlay "1" at 46.47,100.228 h1.02 r90
J18: Top Overlay "2" at 92.323,109.698 h1.02 r270; Top Overlay "1" at 92.323,117.673 h1.02 r270; Top Overlay "PH x4 COMB" at 100.919,110.684 h0.5 r90; Top Overlay "2" at 97.098,111.123 h1.02 r270; Top Overlay "1" at 97.13,115.872 h1.02 r270
J19: Top Overlay "4" at 51.766,119.009 h1.02 r90; Top Overlay "1" at 51.756,110.064 h1.02 r90; Top Overlay "PH x4 COMB" at 42.685,118.524 h0.75 r270; Top Overlay "4" at 46.597,118.837 h1.02 r90; Top Overlay "1" at 46.47,110.328 h1.02 r90
K1: Top Overlay "G5V-2" at 76.082,104.045 h1.52 r90
U1: Top Overlay "STM32F" at 56.154,89.753 h1.52 r270; Top Overlay "105RC" at 54.054,89.753 h1.52 r270; Top Overlay "LQFP64" at 51.054,89.753 h1.52 r270